# Altium PCB uAMDC.PcbDoc (part 4 of 6)
Units mil, origin at the board's own origin, x right, y up, seen from the top; angles counter-clockwise.
Board outline 4335 x 5120 mil, 6 copper layers (Top Layer, Int1 (GND), Int2 (Sign), Int3 (Sign), Int4 (PWR), Bottom Layer), stack 55.468 mil thick; 396 components, 471 nets, 2094 pads, 683 vias.
Unrouted connection lines stored in the file: 618.
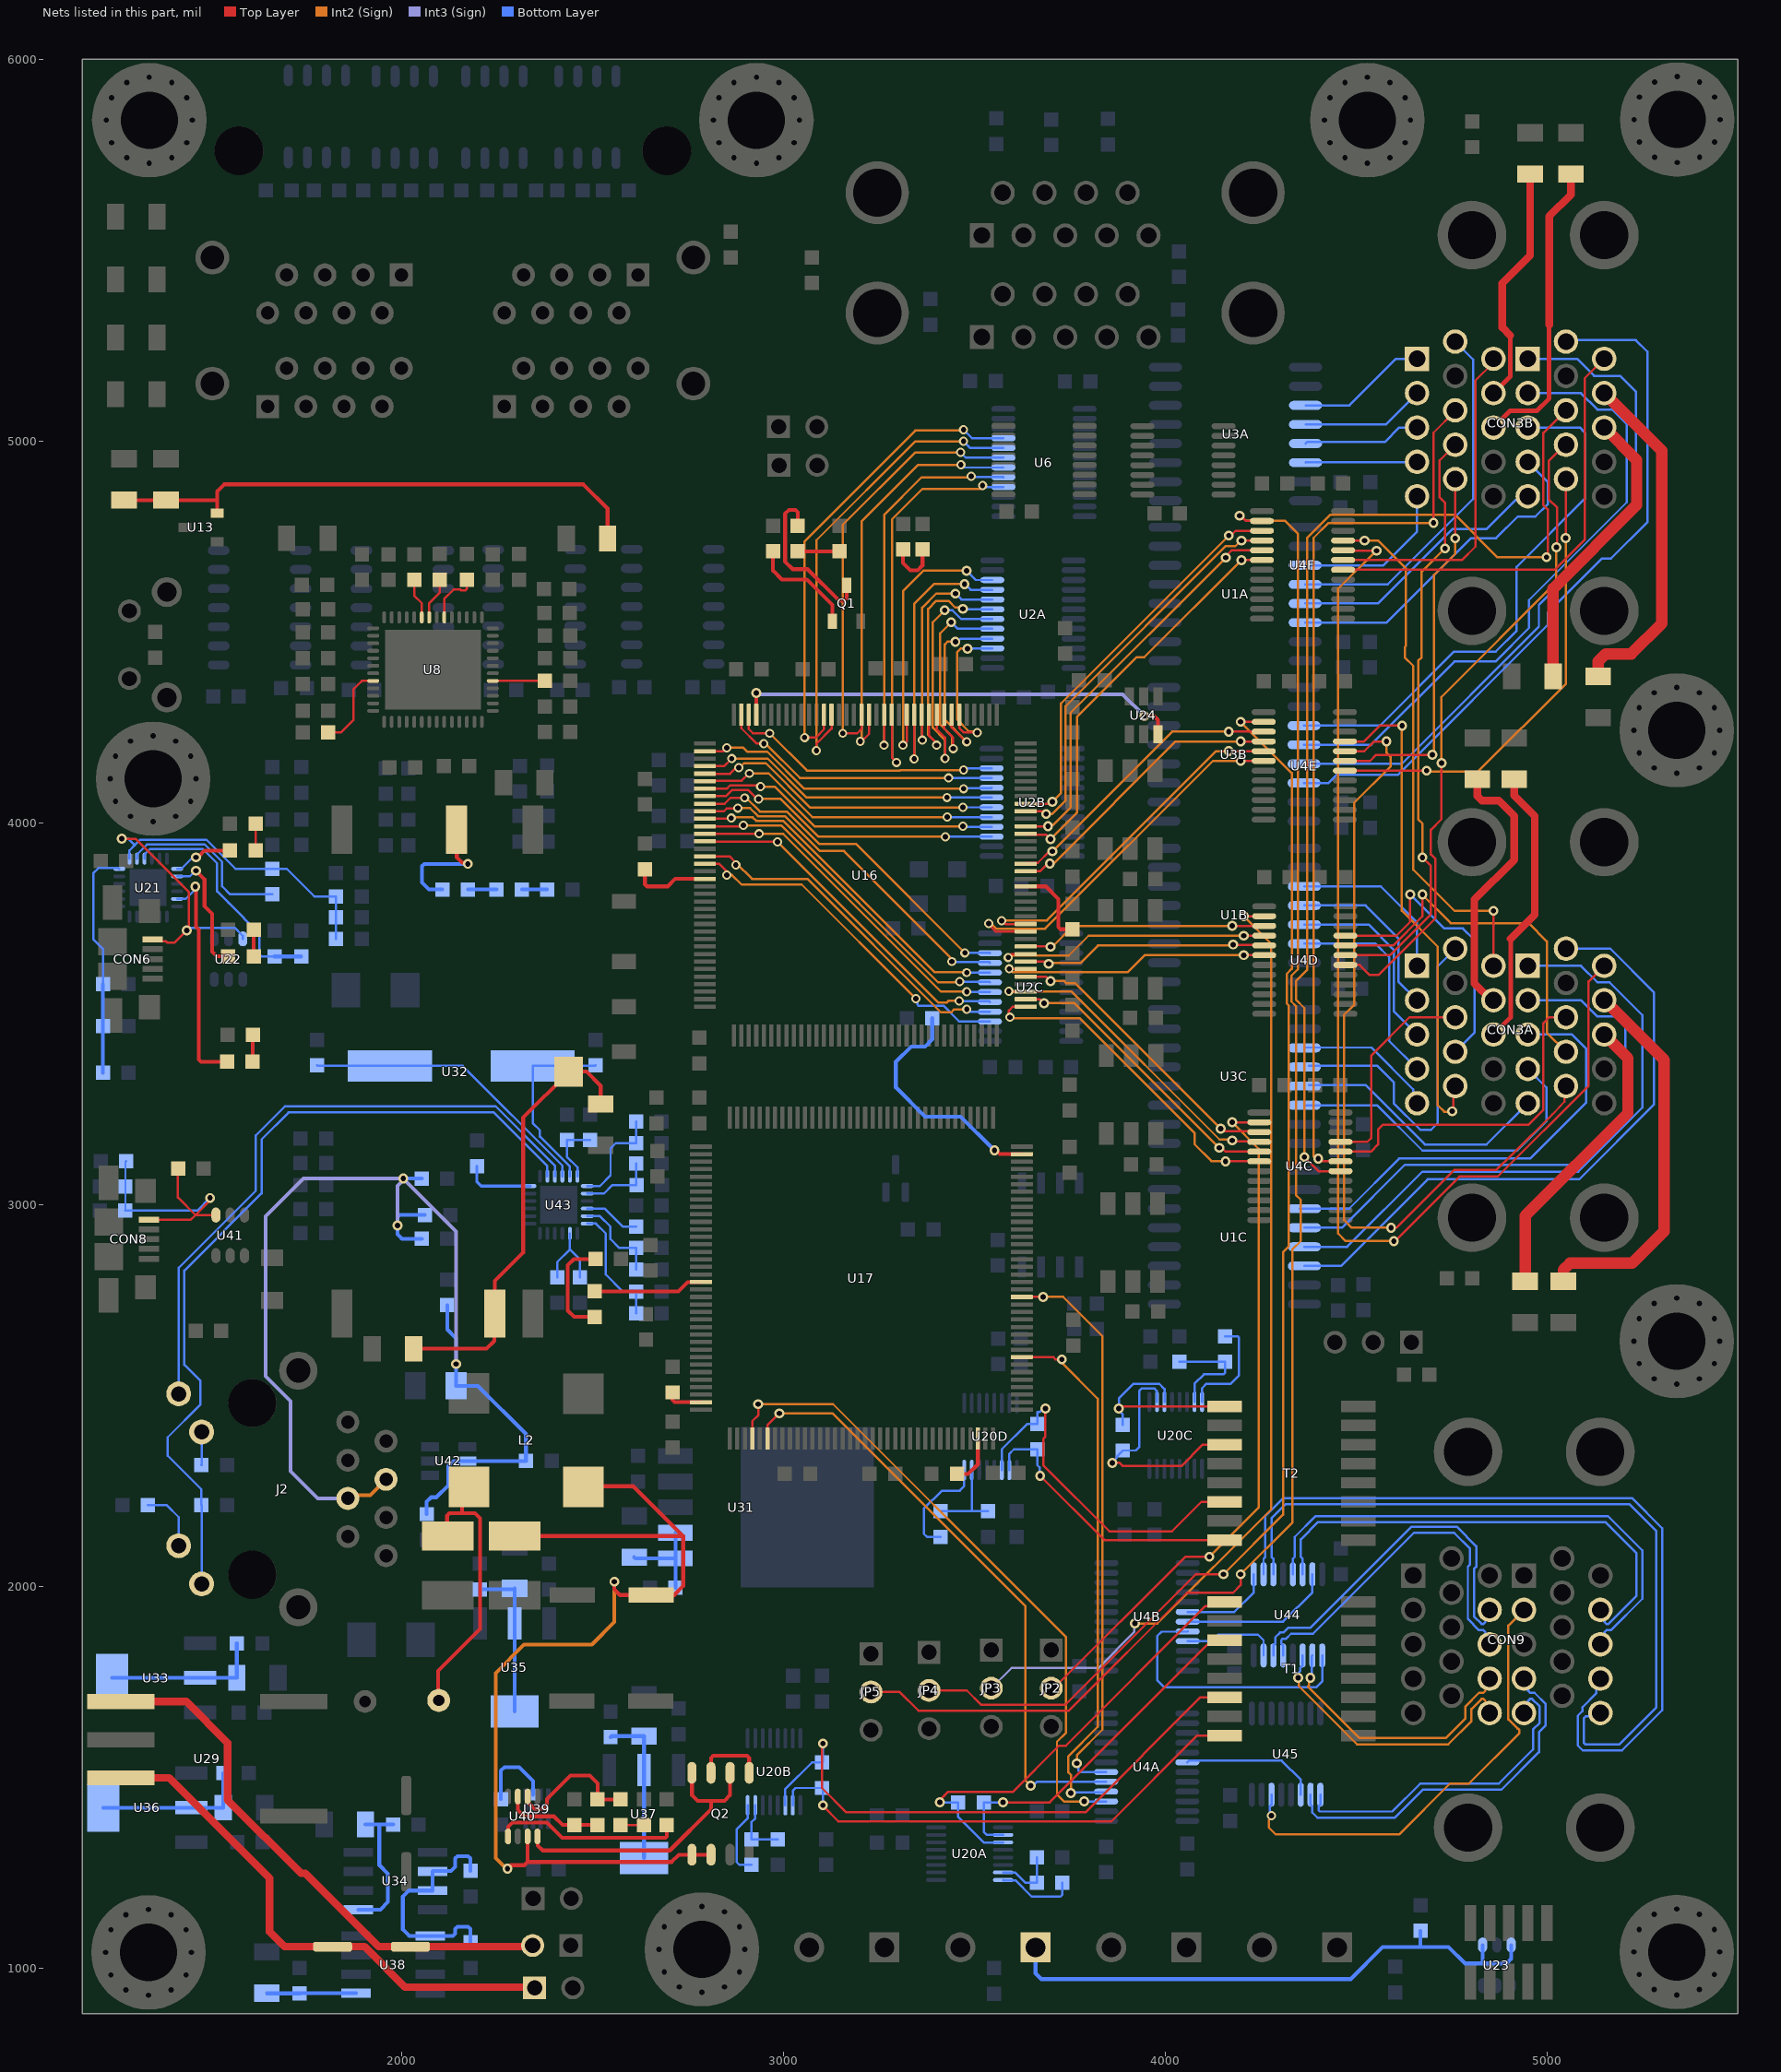
[diagram p8: the nets of this part, all layers, seen from the top]

## Via types
v1: diameter 26, hole 14, Top Layer to Bottom Layer, tented both sides, 326 vias
v2: diameter 26, hole 14, Top Layer to Bottom Layer, 288 vias
v3: diameter 24, hole 14, Top Layer to Bottom Layer, 57 vias
v4: diameter 24, hole 14, Top Layer to Bottom Layer, tented both sides, 5 vias
v5: diameter 19.68, hole 7.87, Top Layer to Bottom Layer, 4 vias
v6: diameter 60, hole 20, Top Layer to Bottom Layer, tented both sides, 3 vias

## Nets (pads, with @x,y where several pads share a name; then routed paths per layer and width w, separated by ;. In a path a pad name is that pad's centre, name@x,y a point inside that pad or via, vN(x,y) a via of type N, cw(c..) or ccw(c..) an arc to the next point about the centre after c; other vN are vias at no path point) (continued)
GPIO_IN3_P: CON9.2B U45.14 | length 1219
  Int2 (Sign) w6: v4(4278.64,1399) 4278.64,1394.13 4271.64,1387.13 4271.64,1368.36 4290,1350 4612.91,1350 4745.91,1483 4795.86,1483 4928,1615.14 4928,1623.49 4924.49,1627 4923.02,1627 4899,1651.02 4899,1897 CON9.2B@4940,1938
  Bottom Layer w6: v4(4278.64,1399) 4275.19,1402.44 4275.19,1410.16 4273.84,1411.51 4273.84,1422.93 4278.64,1427.73 U45.14@4278.64,1453.99
GPIO_IN4: U4A.18 U45.11 | length 358.3
  Bottom Layer w6: U4A.18@4058.5,1539 4062.48,1542.98 4305.42,1542.98 4355.41,1492.99 U45.11@4355.41,1453.99
GPIO_IN4_N: CON9.5B U45.9 | length 869.6
  Bottom Layer w6: U45.9@4406.59,1453.99 4406.59,1427.73 4401.8,1422.93 4401.8,1413.49 4405.31,1409.98 4595.14,1409.98 4668.17,1483 4874,1483 4963.31,1572.31 4963.31,1624.49 4981,1642.18 4981,1684.98 4960.98,1705 4956.01,1705 4951.1,1700.09 4951.1,1679.1 CON9.5B@4940,1668
GPIO_IN4_P: CON9.4B U45.10 | length 949.1
  Bottom Layer w6: U45.10@4381,1453.99 4381,1427.73 4385.8,1422.93 4385.8,1406.86 4398.68,1393.98 4601.77,1393.98 4674.79,1467 4880.63,1467 4979.31,1565.69 4979.31,1617.86 4997,1635.55 4997,1691.61 4967.61,1721 4956.01,1721 4951.1,1725.91 4951.1,1746.9 CON9.4B@4940,1758
GPIO_OUT1: U4B.21 U44.7 | length 251.6
  Bottom Layer w6: U4B.21@4059.3,1856.02 4121.53,1856.02 4138.51,1873 4243.53,1873 4258.02,1858.5 U44.7@4258.02,1818.7
GPIO_OUT1_N: CON9.13A U44.5 | length 953.7
  Bottom Layer w6: U44.5@4309.2,1818.7 4309.2,1844.96 4304.41,1849.76 4304.41,1859.2 4307.92,1862.71 4317,1862.71 4329.82,1875.54 4387.54,1875.54 4652,2140 4757,2140 4799,2098 4799,2057.61 4793,2051.61 4793,1914.39 4822.39,1885 4833.99,1885 4838.9,1880.09 4838.9,1859.1 CON9.13A@4850,1848
GPIO_OUT1_P: CON9.12A U44.6 | length 980.2
  Bottom Layer w6: U44.6@4283.61,1818.7 4283.61,1844.96 4288.41,1849.76 4288.41,1865.82 4301.3,1878.71 4310.37,1878.71 4323.19,1891.54 4380.91,1891.54 4645.37,2156 4763.63,2156 4815,2104.63 4815,2050.98 4809,2044.98 4809,1921.02 4829.02,1901 4833.99,1901 4838.9,1905.91 4838.9,1926.9 CON9.12A@4850,1938
GPIO_OUT2: U4B.20 U44.1 | length 714.8
  Bottom Layer w6: U4B.20@4059.3,1881.61 4058.63,1880.95 3991.08,1880.95 3979.52,1869.38 3979.52,1753.75 3998.19,1735.08 4396.08,1735.08 4411.57,1750.57 U44.1@4411.57,1818.7
GPIO_OUT2_N: CON9.15A U44.3 | length 744.6
  Int2 (Sign) w6: v1(4348.47,1759.88) 4350.81,1757.53 4350.81,1737.88 4502.69,1586 4741.63,1586 4802.54,1646.91 4802.54,1678.52 4829.02,1705 4833.99,1705 4838.9,1700.09 4838.9,1679.1 CON9.15A@4850,1668
  Bottom Layer w6: v1(4348.47,1759.88) 4348,1760.35 4348,1771.89 4354.56,1778.44 4354.56,1786.61 4360.39,1792.44 U44.3@4360.39,1818.7
GPIO_OUT2_P: CON9.14A U44.2 | length 713.9
  Int2 (Sign) w6: v1(4380.47,1759.88) 4376.64,1756.06 4376.64,1740.02 4373.97,1737.34 4509.31,1602 4735,1602 4786.54,1653.54 4786.54,1685.15 4822.39,1721 4833.99,1721 4838.9,1725.91 4838.9,1746.9 CON9.14A@4850,1758
  Bottom Layer w6: v1(4380.47,1759.88) 4383.98,1763.4 4384.11,1763.4 4384.11,1816.84 U44.2@4385.98,1818.7
GPIO_OUT3: U4B.19 U44.15 | length 405.8
  Bottom Layer w6: U4B.19@4059.3,1907.2 4309.2,1907.2 4385.98,1983.98 U44.15@4385.98,2031.3
GPIO_OUT3_N: CON9.13B U44.13 | length 1368.4
  Bottom Layer w6: U44.13@4334.8,2031.3 4334.8,2072.2 4339.59,2077 4339.59,2129.22 4394.37,2184 5159.63,2184 5250,2093.63 5250,1967.39 5167.61,1885 5156.01,1885 5151.1,1880.09 5151.1,1859.1 CON9.13B@5140,1848
GPIO_OUT3_P: CON9.12B U44.14 | length 1288.9
  Bottom Layer w6: U44.14@4360.39,2031.3 4360.39,2072.2 4355.59,2077 4355.59,2122.59 4401,2168 5153,2168 5234,2087 5234,1974.02 5160.98,1901 5156.01,1901 5151.1,1905.91 5151.1,1926.9 CON9.12B@5140,1938
GPIO_OUT4: U4B.18 U44.9 | length 241.7
  Bottom Layer w6: U4B.18@4059.3,1932.8 4181.25,1932.8 4232.43,1983.98 U44.9@4232.43,2031.3
GPIO_OUT4_N: CON9.15B U44.11 | length 2006.8
  Bottom Layer w6: U44.11@4283.61,2031.3 4283.61,2072.2 4278.82,2077 4278.82,2177.72 4316.1,2215 5216,2215 5286,2145 5286,1682 5190,1586 5100.51,1586 5097,1589.51 5097,1654.4 5102.51,1659.92 5131.92,1659.92 CON9.15B@5140,1668
GPIO_OUT4_P: CON9.14B U44.10 | length 2192.2
  Bottom Layer w6: U44.10@4258.02,2031.3 4258.02,2072.2 4262.82,2077 4262.82,2184.34 4309.48,2231 5222.63,2231 5302,2151.63 5302,1675.37 5196.63,1570 5093.89,1570 5081,1582.89 5081,1661.03 5093,1673.03 5093,1683.31 5128.9,1719.21 5128.9,1746.9 CON9.14B@5140,1758
IMA: R103.2 T1.3 U20A.10 | length 937.6
  Top Layer w6: v2(3576,1434) 3698,1434 4111,1847 4144,1847 T1.3@4156,1859
  Bottom Layer w6: U20A.10@3576,1348.68 3533.68,1348.68 3525.46,1356.9 R103.2@3525.46,1434 v2(3576,1434)
IMB: R104.2 T1.8 U20B.10 | length 1327.7
  Top Layer w6: v2(3104.27,1426.4) 3104.27,1424.13 3144.4,1384 3859.37,1384 4084.37,1609 T1.8@4156,1609
  Bottom Layer w6: U20B.10@3025.21,1426.4 3025.92,1427.11 3025.92,1465.21 3032.24,1471.54 R104.2@3102,1471.54 3104.27,1469.27 v2(3104.27,1426.4)
IMC: R105.2 T2.3 U20C.10 | length 639.4
  Top Layer w6: v2(3861.8,2323.22) 3880.87,2323.22 3889.35,2314.74 4042.74,2314.74 4099,2371 T2.3@4156,2371
  Bottom Layer w6: v2(3861.8,2323.22) 3861.8,2324.89 3873.65,2336.74 3873.65,2339.83 R105.2@3889.35,2355.54 3923.54,2355.54 3932,2364 3932,2511.64 3938.81,2518.45 3971.36,2518.45 3978.18,2511.64 3978.18,2483.49 U20C.10@3978.79,2482.87
IMD: R106.2 T2.8 U20D.10 | length 745.8
  Top Layer w6: v2(3673,2289) 3841,2121 T2.8@4156,2121
  Bottom Layer w6: U20D.10@3592.21,2304.4 3592.21,2346.72 3604.02,2358.54 R106.2@3665.68,2358.54 3665.68,2317 3671.68,2311 3671.68,2290.32 v2(3673,2289)
IN1: U4A.3 U17.76 | length 1713.6
  Top Layer w6: U17.76@2919.35,2386.84 2919.35,2432.43 2934.64,2447.71 v2(2934.64,2476.95)
  Int2 (Sign) w6: v2(2934.64,2476.95) 3130.78,2476.95 3655.75,1951.97 3741,1866.73 3741,1616.85 3717,1592.85 3717,1455 3735.57,1436.43 v2(3788,1436.43)
  Bottom Layer w6: v2(3788,1436.43) U4A.3@3845.7,1436.43
IN2: U4A.4 U17.116 | length 1412.1
  Top Layer w6: U17.116@3624.87,2600.23 3706.92,2600.23 3713,2594.15 v1(3729.79,2594.15)
  Int2 (Sign) w6: v1(3729.79,2594.15) 3729.79,2589.18 3727.78,2587.17 3824,2490.95 3824,1631.78 3747,1554.78 3747,1512.59 3753.55,1506.04 v1(3753.55,1458.43)
  Bottom Layer w6: v1(3753.55,1458.43) 3755.34,1460.23 3843.91,1460.23 U4A.4@3845.7,1462.02
IN3: U4A.5 U17.78 | length 1610.1
  Top Layer w6: U17.78@2958.72,2386.84 2958.72,2421.72 v2(2990,2453)
  Int2 (Sign) w6: v2(2990,2453) 3128.6,2453 3634.65,1946.94 3634.65,1491.2 v1(3648.49,1477.37)
  Bottom Layer w6: v1(3648.49,1477.37) 3653.9,1477.37 3664.14,1487.61 U4A.5@3845.7,1487.61
IN4: U4A.6 U17.124 | length 1495.2
  Top Layer w6: U17.124@3624.87,2757.71 v2(3680.68,2757.71)
  Int2 (Sign) w6: v2(3680.68,2757.71) 3733.29,2757.71 3836,2655 3836,1624.2 3769.91,1558.11 3769.91,1537.02 v1(3769,1536.11)
  Bottom Layer w6: v1(3769,1536.11) 3772.83,1532.29 3772.83,1517.49 3777.11,1513.2 U4A.6@3845.7,1513.2
INV1_PWM1: CON3A.1A U1B.11 | length 447.4
  Bottom Layer w6: U1B.11@4364.93,3833 4565,3833 4660,3738 CON3A.1A@4660,3625
INV1_PWM2: CON3A.2A U1B.12 | length 464
  Bottom Layer w6: U1B.12@4364.93,3783 4525,3783 4611,3697 4611,3584 CON3A.2A@4660,3535
INV1_PWM3: CON3A.3A U1B.13 | length 508.7
  Bottom Layer w6: U1B.13@4364.93,3733 4533,3733 4599,3667 4599,3506 CON3A.3A@4660,3445
INV1_PWM4: CON3A.4A U1B.14 | length 559.2
  Bottom Layer w6: U1B.14@4364.93,3683 4551,3683 4587,3647 4587,3428 CON3A.4A@4660,3355
INV1_PWM5: CON3A.5A U3C.11 | length 368.8
  Bottom Layer w6: U3C.11@4367,3411 4540.14,3411 4649.84,3301.31 4649.84,3275.16 CON3A.5A@4660,3265
INV1_PWM6: CON3A.6A U3C.12 | length 921.5
  Bottom Layer w6: U3C.12@4377,3363 4556,3363 4599,3320 4599,3265 4668,3196 4697,3196 4714,3213 4714,3624 CON3A.6A@4760,3670
INV2_PWM1: CON3A.1B U1C.13 | length 1631.5
  Bottom Layer w6: U1C.13@4365,2889 4477,2889 4674,3086 5082,3086 5250,3254 5250,3447.37 5250,3495.81 5163.81,3582 5132.19,3582 5089.19,3625 CON3A.1B@4950,3625
INV2_PWM2: CON3A.2B U1C.12 | length 1481.4
  Bottom Layer w6: U1C.12@4365,2939 4463.14,2939 4628.14,3104 5077.37,3104 5205,3231.63 5205,3469.75 5182.75,3492 5132.19,3492 5089.19,3535 CON3A.2B@4950,3535
INV2_PWM3: CON3A.3B U1C.11 | length 1174.3
  Bottom Layer w6: U1C.11@4353.02,2989 4482,2989 4613,3120 4956,3120 5103,3267 5103,3407.81 5065.81,3445 CON3A.3B@4950,3445
INV2_PWM4: CON3A.4B U3C.14 | length 872.6
  Bottom Layer w6: U3C.14@4364.93,3260 4555,3260 4674,3141 4922,3141 4999,3218 4999,3306 CON3A.4B@4950,3355
INV2_PWM5: CON3A.5B U3C.13 | length 682.4
  Bottom Layer w6: U3C.13@4377,3313 4524.63,3313 4680.63,3157 4842,3157 CON3A.5B@4950,3265
INV2_PWM6: CON3A.6B U1C.14 | length 1661.7
  Bottom Layer w6: U1C.14@4365,2839 4460.89,2839 4687.89,3066 5084.63,3066 5280,3261.37 5280,3555.81 5165.81,3670 CON3A.6B@5050,3670
INV3_PWM1: CON3B.1A U3A.11 | length 342.6
  Bottom Layer w6: U3A.11@4367.93,5093 4483,5093 4605,5215 CON3B.1A@4660,5215
INV3_PWM2: CON3B.2A U3A.12 | length 326
  Bottom Layer w6: U3A.12@4367.93,5043 4578,5043 CON3B.2A@4660,5125
INV3_PWM3: CON3B.3A U3A.13 | length 309.5
  Bottom Layer w6: U3A.13@4367.93,4993 4371.93,4997 4575.35,4997 4613.35,5035 CON3B.3A@4660,5035
INV3_PWM4: CON3B.4A U3A.14 | length 292.9
  Bottom Layer w6: U3A.14@4367.93,4943 4368.93,4944 4659,4944 CON3B.4A@4660,4945
INV3_PWM5: CON3B.5A U1A.11 | length 422.5
  Bottom Layer w6: U1A.11@4366.93,4674 4572,4674 4660,4762 CON3B.5A@4660,4855
INV3_PWM6: CON3B.6A U1A.12 | length 964.3
  Bottom Layer w6: U1A.12@4366.93,4624 4583,4624 4807,4848 4807,5213 CON3B.6A@4760,5260
INV4_PWM1: CON3B.1B U3B.13 | length 1803.4
  Bottom Layer w6: U3B.13@4363.93,4154 4619.63,4154 4979,4513.37 4979,4570 5233,4824 5233,5129 5191.5,5170.5 5123.5,5170.5 5079,5215 CON3B.1B@4950,5215
INV4_PWM2: CON3B.2B U3B.12 | length 1648.4
  Bottom Layer w6: U3B.12@4363.93,4204 4539.89,4204 4757.89,4422 4865,4422 4953,4510 4953,4583 5209,4839 5209,5044 5171,5082 5132.19,5082 5089.19,5125 CON3B.2B@4950,5125
INV4_PWM3: CON3B.3B U3B.11 | length 1407.3
  Bottom Layer w6: U3B.11@4363.93,4254 4563,4254 4757,4448 4866,4448 4921,4503 4921,4670 5099,4848 5099,5022 5086,5035 CON3B.3B@4950,5035
INV4_PWM4: CON3B.4B U1A.14 | length 896
  Bottom Layer w6: U1A.14@4366.93,4524 4580,4524 4801,4745 4867,4745 4924,4802 4970,4802 5002,4834 5002,4893 CON3B.4B@4950,4945
INV4_PWM5: CON3B.5B U1A.13 | length 699.5
  Bottom Layer w6: U1A.13@4366.93,4574 4557.53,4574 4753.04,4769.5 4842.5,4769.5 4917.67,4844.67 4939.67,4844.67 CON3B.5B@4950,4855
INV4_PWM6: CON3B.6B U3B.14 | length 1874.7
  Bottom Layer w6: U3B.14@4363.93,4104 4428,4104 4449,4125 4609,4125 5003,4519 5003,4550.84 5144.08,4691.92 5167.92,4691.92 5263,4787 5263,5234 5233,5264 5054,5264 CON3B.6B@5050,5260
INV_STS_A1: CON3A.8A U4C.21 | length 562.1
  Top Layer w6: U4C.21@4459.3,3163.98 4529.6,3163.98 4540.14,3174.52 4540.14,3390.14 4640,3490 CON3A.8A@4760,3490
INV_STS_A2: CON3A.8B U4C.20 | length 892.1
  Top Layer w6: U4C.20@4459.3,3138.39 4539.15,3138.39 4558,3157.23 4558,3196.11 4570.89,3209 4951.98,3209 4991,3248.02 4991,3475 5006,3490 CON3A.8B@5050,3490
INV_STS_A3: CON3B.8A U4C.19 | length 2364.5
  Top Layer w6: v2(4401,3120) 4401,3116.89 4396.91,3112.8 U4C.19@4459.3,3112.8 ; v2(4703,4785) 4703,5021.32 4760,5078.32 CON3B.8A@4760,5080
  Int2 (Sign) w6: v2(4401,3120) 4401,3113.3 4389,3125.3 4389,4746.07 4427.93,4785 v2(4703,4785)
INV_STS_A4: CON3B.8B U4C.18 | length 2866.2
  Top Layer w6: v2(4364.93,3124) 4401.72,3087.2 U4C.18@4459.3,3087.2 ; v2(4998.74,4695.18) 5002,4698.44 5002,4820.66 4991,4831.66 4991,5021 CON3B.8B@5050,5080
  Int2 (Sign) w6: v2(4364.93,3124) 4364.93,3514.22 4343,3536.15 4343,3585.07 4372.63,3614.7 4372.63,4746.67 4432.96,4807 4758.94,4807 4870.76,4695.18 v2(4998.74,4695.18)
INV_STS_A_DIR: JP2.2 U4C.2 | length 1847.5
  Top Layer w6: JP2.2@3702,1733 3708.94,1733 4052.94,2077 v2(4116,2077) ; v2(4176,3215.16) U4C.2@4246.7,3215.16
  Int2 (Sign) w6: v2(4116,2077) 4245.14,2206.14 4245.14,3146.02 v2(4176,3215.16)
INV_STS_B1: CON3A.9A U4D.21 | length 787.6
  Top Layer w6: U4D.21@4472.3,3703.98 4605.98,3703.98 4642,3740 v2(4642,3812)
  Bottom Layer w6: v2(4642,3812) 4731,3723 4780,3723 4810,3693 4810,3450 CON3A.9A@4760,3400
INV_STS_B2: CON3A.9B U4D.20 | length 977.7
  Top Layer w6: U4D.20@4472.3,3678.39 4597.36,3678.39 4674,3755.03 v2(4674,3812)
  Int2 (Sign) w6: v2(4674,3812) 4674,3811 4748,3737 4952,3737 5000,3689 5000,3450 CON3A.9B@5050,3400
INV_STS_B3: CON3B.9A U4D.19 | length 1563.5
  Top Layer w6: U4D.19@4472.3,3652.8 4588.74,3652.8 4696,3760.06 4696,3886.89 v2(4674,3908.89) ; v2(4733,4718.35) 4733,4838 4719,4852 4719,4949 CON3B.9A@4760,4990
  Int2 (Sign) w6: v2(4674,3908.89) 4674,3997.54 4663,4008.54 4663,4423.89 4672,4432.89 4672,4657.35 v2(4733,4718.35)
INV_STS_B4: CON3B.9B U4D.18 | length 1719.9
  Top Layer w6: U4D.18@4472.3,3627.2 4509.37,3627.2 4534.96,3601.61 4559.89,3601.61 4619,3660.73 4708,3749.73 4708,3904.54 4696,3916.54 4696,3981.46 4724,4009.46 v2(4724,4156) ; v2(5024.78,4721.22) 5027,4723.44 5027,4824.69 5004.49,4847.21 5004.49,4947.49 5047,4990 CON3B.9B@5050,4990
  Int2 (Sign) w6: v2(4724,4156) 4724,4329.51 5024.78,4630.29 v2(5024.78,4721.22)
INV_STS_B_DIR: JP3.2 U4D.2 | length 2576.9
  Top Layer w6: v2(4206,3755.16) U4D.2@4259.7,3755.16
  Int2 (Sign) w6: v1(3920.83,1902.52) 3979.52,1902.52 4278,2201 4278,3683.16 v2(4206,3755.16)
  Int3 (Sign) w6: JP3.2@3545,1733 3598,1786 3825.35,1786 3919.87,1880.52 3919.87,1901.56 v1(3920.83,1902.52)
INV_STS_C1: CON3A.10A U4E.21 | length 1315
  Top Layer w6: U4E.21@4471,4212.82 4521.25,4212.82 4562.43,4254 v2(4621,4254) ; v2(4751.69,3244.04) 4755.51,3247.86 4755.51,3305.51 CON3A.10A@4760,3310
  Int2 (Sign) w6: v2(4621,4254) 4620,4253 4620,3769.29 4714,3675.29 4714,3260 4731,3243 4750.65,3243 v2(4751.69,3244.04)
INV_STS_C2: CON3A.10B U4E.20 | length 2193.4
  Top Layer w6: U4E.20@4471,4187.23 4522,4187.23 4547.59,4212.82 v2(4580,4212.82) ; v2(4592,2939) 4606,2939 4757,3090 4864.51,3090 4867,3090 4908.85,3130.54 5014.93,3236.61 5046,3269 5046,3306 CON3A.10B@5050,3310
  Int2 (Sign) w6: v2(4580,4212.82) 4580,4183.02 4591,4172.02 4591,4147.64 4495,4051.64 4495,3522.55 4468.75,3496.29 4468.75,2959.25 4489,2939 v2(4592,2939)
INV_STS_C3: CON3B.10A U4E.19 | length 982.6
  Top Layer w6: U4E.19@4471,4161.64 4537,4161.64 4553.13,4177.77 v2(4699.77,4177.77) ; v2(4760,4745) CON3B.10A@4760,4900
  Int2 (Sign) w6: v2(4699.77,4177.77) 4704.54,4182.54 4704.54,4648.9 4760,4704.35 v2(4760,4745)
INV_STS_C4: CON3B.10B U4E.18 | length 1211.6
  Top Layer w6: U4E.18@4471,4136.05 v2(4685,4136.05) ; v2(5049.28,4745.72) 5049.64,4746.08 5049.64,4899.64 CON3B.10B@5050,4900
  Int2 (Sign) w6: v2(4685,4136.05) 4687.05,4134 4819.73,4134 5050,4364.27 5050,4745 v2(5049.28,4745.72)
INV_STS_C_DIR: JP4.2 U4E.2 | length 3354.9
  Top Layer w6: JP4.2@3382,1727 3481,1727 3518,1690 3739.42,1690 4080.72,2031.3 v2(4153.02,2031.3) ; v2(4198,4264) U4E.2@4258.4,4264
  Int2 (Sign) w6: v2(4153.02,2031.3) 4309.2,2187.48 4309.2,2875.02 4324.37,2890.18 4324.37,3520.84 4319,3526.21 4319,3604.05 4332,3617.05 4332,4130 v2(4198,4264)
INV_STS_D1: CON3A.11A U4F.21 | length 1392.9
  Top Layer w6: U4F.21@4466.3,4738.98 v1(4522.25,4738.98) ; CON3A.11A@4860,3625 v2(4860,3769)
  Int2 (Sign) w6: v1(4522.25,4738.98) 4557.88,4738.98 4631,4665.86 4631,4462.89 4628,4459.89 4628,4432.89 4650,4410.89 4650,3877 4758,3769 v2(4860,3769)
INV_STS_D2: CON3A.11B U4F.20 | length 3082.4
  Top Layer w6: U4F.20@4466.3,4713.39 4466.99,4712.69 4553.06,4712.69 v1(4553.75,4712) ; v2(4599,2904) 4602.11,2904 4771.11,3073 4870.98,3073 5109,3311.02 5109,3584 CON3A.11B@5150,3625
  Int2 (Sign) w6: v1(4553.75,4712) 4552.36,4712 4453,4612.64 4453,2924 4473,2904 v2(4599,2904)
INV_STS_D3: CON3B.11A U4F.19 | length 872.8
  Top Layer w6: U4F.19@4466.3,4687.8 4777.8,4687.8 4813,4723 4813,5158 4860,5205 CON3B.11A@4860,5215
INV_STS_D4: CON3B.11B U4F.18 | length 1160.5
  Top Layer w6: U4F.18@4466.3,4662.2 5020.2,4662.2 5099,4741 5099,5164 CON3B.11B@5150,5215
INV_STS_D_DIR: JP5.2 U4F.2 | length 4197
  Top Layer w6: JP5.2@3230,1723 3305,1723 3354,1674 3748,1674 4057,1983 4178,1983 4198,2003 v2(4198,2031.3) ; v1(4195.13,4804) 4198.56,4804 4212.4,4790.16 U4F.2@4253.7,4790.16
  Int2 (Sign) w6: v1(4195.13,4804) 4198.56,4804 4212.4,4790.16 4314.77,4790.16 4347.63,4757.29 4347.63,3615.71 4331,3599.08 4331,3531.18 4342.93,3519.25 4342.93,3024.67 4355.16,3012.44 4355.16,2904 4333,2881.84 4333,2166.3 v2(4198,2031.3)
IPA: R103.1 T1.1 U20A.11 | length 1198.8
  Top Layer w6: v2(3410,1434) 3410,1439.41 3422.41,1451.83 3422.41,1452.41 3431,1461 3601,1461 3722,1582 3740.04,1582 4106.16,1948.12 4145.12,1948.12 T1.1@4156,1959
  Bottom Layer w6: v2(3410,1434) R103.1@3458.54,1434 3458.54,1395.93 3525.46,1329 U20A.11@3576,1329
IPB: R104.1 T1.6 U20B.11 | length 1540.9
  Top Layer w6: v1(3104.27,1588) 3102,1585.73 3102,1471 3165,1408 3792,1408 4093,1709 T1.6@4156,1709
  Bottom Layer w6: U20B.11@3005.53,1426.4 3005.53,1468.72 3075.27,1538.46 R104.1@3102,1538.46 3104.27,1540.73 v1(3104.27,1588)
IPC: R105.1 T2.1 U20C.11 | length 527.9
  Top Layer w6: v2(3879.15,2465.37) 3884.51,2470.73 4155.73,2470.73 T2.1@4156,2471
  Bottom Layer w6: R105.1@3889.35,2422.46 3889.35,2450.17 3879.15,2460.37 v2(3879.15,2465.37) 3879.15,2492.45 3917.15,2530.45 3984.55,2530.45 3998.47,2516.53 U20C.11@3998.47,2482.87
IPD: R106.1 T2.6 U20D.11 | length 960.3
  Top Layer w6: v2(3686.51,2465.72) 3686.51,2391.41 3681,2385.9 3681,2317 3854,2144 4018.27,2144 4095.27,2221 T2.6@4156,2221
  Bottom Layer w6: U20D.11@3572.53,2304.4 3572.53,2358.54 3639.46,2425.46 R106.1@3665.68,2425.46 3665.68,2456.56 3671.93,2456.56 3681.1,2465.72 v2(3686.51,2465.72)
LED0: LED1.A U17.55 | length 288.9
  Top Layer w10: LED1.A@2506,2772.46 2725.36,2772.46 2749.47,2796.57 2784.2,2796.57 U17.55@2784.71,2797.08
LV_ENC_1A: U6.21 U16.96 | length 1262.5
  Top Layer w6: v3(3056,4223) 3085.03,4223 3106.81,4244.78 U16.96@3106.81,4282.66
  Int2 (Sign) w6: v3(3056,4223) 3056,4737 3346,5027 3470.31,5027 v4(3472.3,5029)
  Bottom Layer w6: v4(3472.3,5029) 3494.33,5006.98 U6.21@3576.7,5006.98
LV_ENC_1B: U6.20 U16.95 | length 1265.7
  Top Layer w6: v3(3087.13,4188.75) 3087.13,4207.13 3126.5,4246.5 U16.95@3126.5,4282.66
  Int2 (Sign) w6: v3(3087.13,4188.75) 3087.13,4740.12 3346,4999 v3(3472.3,4999)
  Bottom Layer w6: v3(3472.3,4999) 3489.92,4981.39 U6.20@3576.7,4981.39
LV_ENC_1Z: U6.19 U16.91 | length 1142.6
  Top Layer w6: v3(3156,4234) 3194,4234 3205.24,4245.24 U16.91@3205.24,4282.66
  Int2 (Sign) w6: v3(3156,4234) 3156,4780 3346,4970 v3@3463,4970
  Bottom Layer w6: v3@3463,4970 v3(3464.29,4970) 3478.49,4955.8 U6.19@3576.7,4955.8
LV_ENC_2A: U6.18 U16.90 | length 1094.4
  Top Layer w6: v3(3201.92,4213.02) 3205.26,4213.02 3224.92,4232.69 U16.90@3224.92,4282.66
  Int2 (Sign) w6: v3(3201.92,4213.02) 3205.24,4216.33 3205.24,4789.24 3353.2,4937.2 v4@3463,4937.2
  Bottom Layer w6: v4@3463,4937.2 3467.87,4937.2 3474.87,4930.2 U6.18@3576.7,4930.2
  other v4: 3465.44,4937.2
LV_ENC_2B: U6.17 U16.88 | length 1039
  Top Layer w6: v3(3264.29,4202.72) U16.88@3264.29,4282.66
  Int2 (Sign) w6: v3(3264.29,4202.72) 3264.29,4806.29 3362.31,4904.31 3489.43,4904.31 v3(3492.53,4907.4)
  Bottom Layer w6: v3(3492.53,4907.4) 3493.92,4906.01 3575.31,4906.01 U6.17@3576.7,4904.61
LV_ENC_2Z: U6.16 U16.87 | length 1105.9
  Top Layer w6: U16.87@3283.98,4282.66 3285.29,4281.35 3285.29,4169.47 v3(3297,4157.76)
  Int2 (Sign) w6: v3(3297,4157.76) 3285.29,4169.47 3285.29,4794.96 3364.88,4874.55 3518.68,4874.55 3518.75,4874.62 3518.75,4879.99 v3(3522.2,4883.43)
  Bottom Layer w6: v3(3522.2,4883.43) 3525.71,4879.92 3525.71,4879.02 U6.16@3576.7,4879.02
LV_INV1_PWM1: U2B.6 U16.113 | length 812.9
  Top Layer w6: U16.113@2795,4128.33 2860.93,4128.33 2880.2,4147.6 v3(2883.67,4144.13)
  Int2 (Sign) w6: v3(2883.67,4144.13) 2886.15,4144.13 2897.72,4155.7 2954.49,4155.7 3070.19,4040 v3(3471,4040)
  Bottom Layer w6: v3(3471,4040) 3471.2,4040.2 U2B.6@3545.7,4040.2
LV_INV1_PWM2: U2B.5 U16.114 | length 806.5
  Top Layer w6: U16.114@2795,4108.65 2796.35,4110 2891.47,4110 2910.47,4129 v3(2911.23,4129)
  Int2 (Sign) w6: v3(2911.23,4129) 2961.87,4129 3076.26,4014.61 v3(3429.36,4014.61)
  Bottom Layer w6: v3(3429.36,4014.61) U2B.5@3545.7,4014.61
LV_INV1_PWM3: U2B.4 U16.115 | length 799.6